# Altium PCB TPS55340_BOOST_PCB.PcbDoc
Units mm, origin at the board's own origin, x right, y up, seen from the top; angles counter-clockwise.
Board outline 46.07 x 24.71 mm, 2 copper layers (Top Layer, Bottom Layer); 14 components, 9 nets, 36 pads, 0 vias.
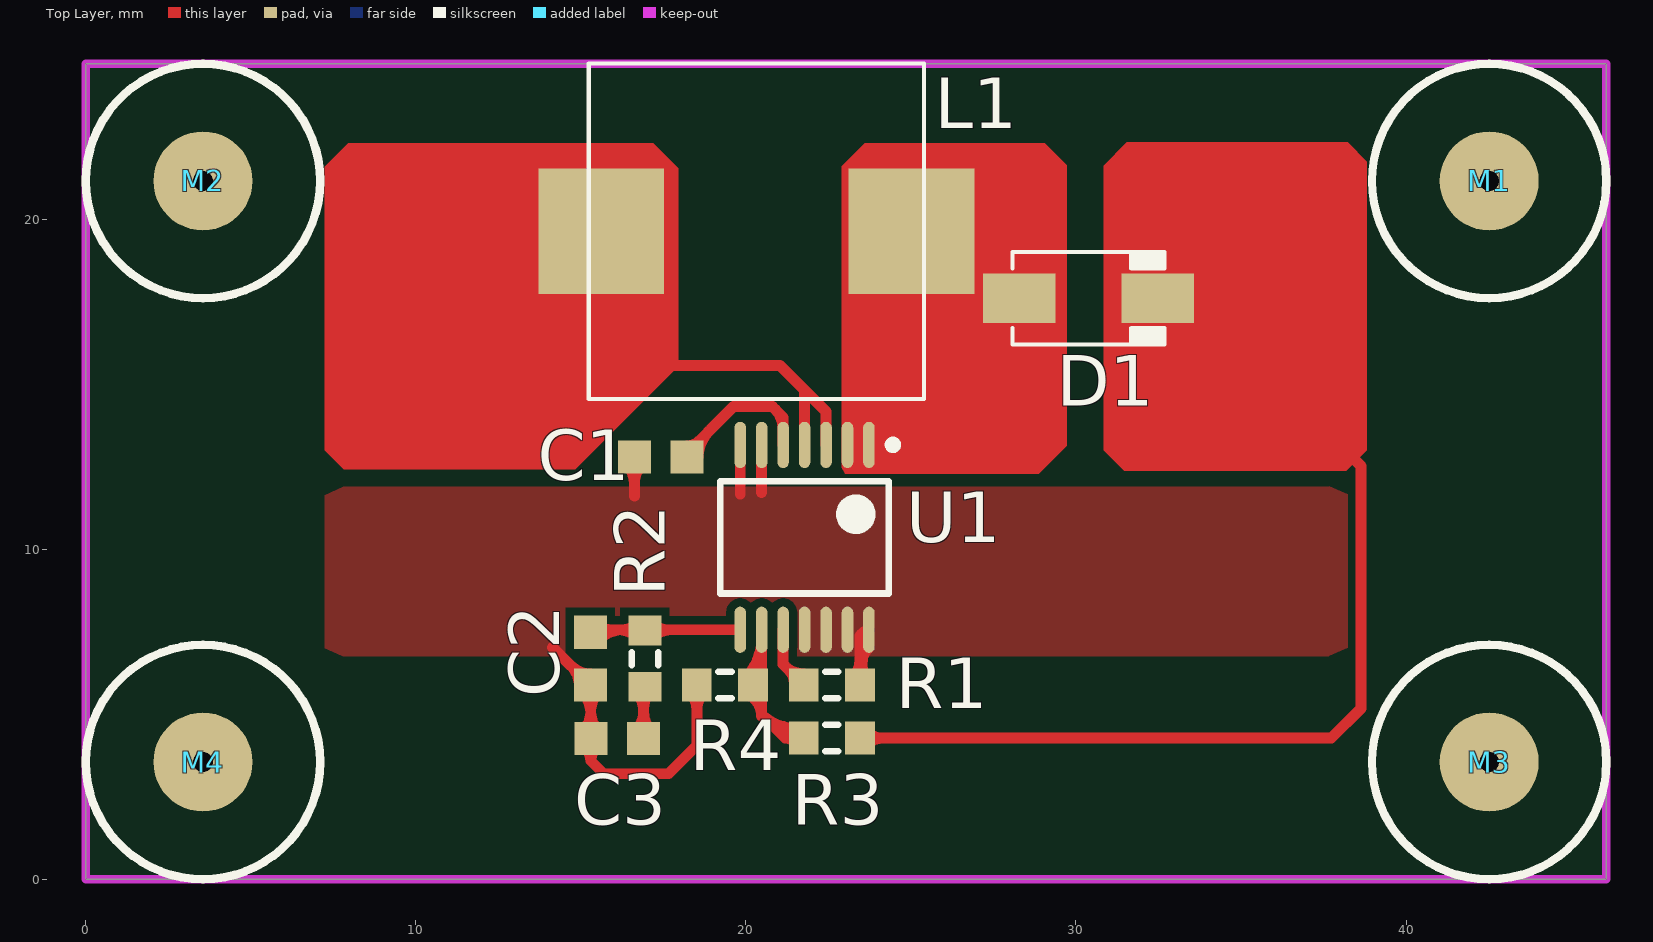
[diagram p0: Top Layer view]
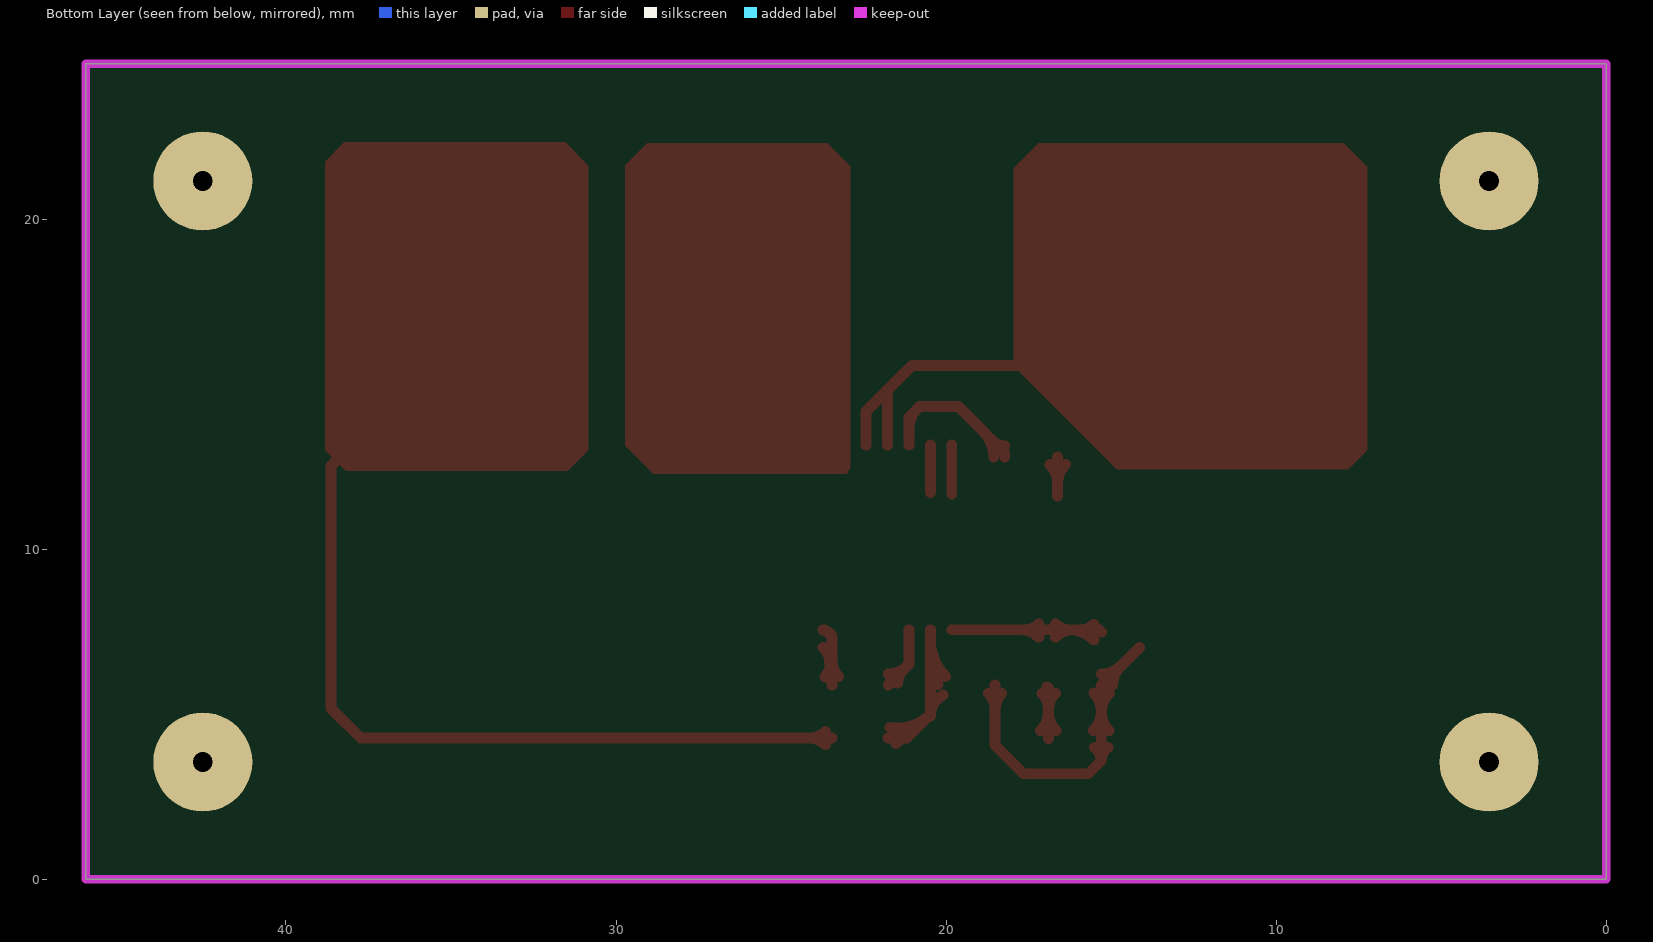
[diagram p1: Bottom Layer view, seen from below]

## Layer stack, top to bottom
Top Layer: signal copper 0.0356
Dielectric: dielectric 0.32, FR-4, Dk 4.8
Bottom Layer: signal copper 0.0356

## Board outline
0,0 0,24.714 46.07,24.714 46.07,0

## Design rules (kind name [scope] priority, off if disabled: settings)
Clearance [All] p1: gap=0.254
PolygonConnect [All] p1: connectstyle=Direct reliefconductorwidth=0.254 reliefentries=4 polygonreliefangle="90 Angle" airgapwidth=0.254
RoutingVias [All] p1: holewidth=0.711 width=1.27 viastyle="Through Hole" minholewidth=0.711 minwidth=1.27 maxholewidth=0.711 maxwidth=1.27
SolderMaskExpansion [All] p1: expansion=0.102
Width [All] p1: maxlimit=2.54 minlimit=0.254 preferedwidth=0.33
28 further rules are at their usual default settings.

## Components (designator, comment, footprint, x,y, rotation, side; value= is the part's Value field where it differs from the comment)
C1 "Cap1" CAPC1608N 17.424,12.802 r0 top
C2 "Cap1" CAPC1608N 15.291,6.688 r90 top
C3 "Cap1" CAPC1608N 16.104,4.267 r0 top
D1 "D Schottky" DO-214AC 30.378,17.602 r0 top
L1 "Inductor" 贴片680u 20.32,19.634 r0 top
M1 "M" "TAPPING HOLE" 42.52,21.158 r0 top
M2 "M" "TAPPING HOLE" 3.556,21.158 r0 top
M3 "M" "TAPPING HOLE" 42.52,3.556 r0 top
M4 "M" "TAPPING HOLE" 3.556,3.556 r0 top
R1 "Res1" RESC1608N 22.606,5.893 r180 top
R2 "Res1" RESC1608N 16.942,6.688 r90 top
R3 "Res1" RESC1608N 22.606,4.281 r0 top
R4 "Res1" RESC1608N 19.368,5.893 r0 top
U1 "TPS55340" TSSOP14_L 21.78,10.363 r270 top

## Footprints (in the part's own frame and the unit in brackets; to place one, negate y for a bottom-side part, rotate by r counter-clockwise, add the part's x,y. Pads: shape width x height; smd on the part's side, far side on the other; paste and mask are expansions set on the pad)
CAPC1608N [mm] "Chip Capacitor, Body 1.6x0.8mm, IPC Medium Density"
  rect 1x1 smd: 1(-0.8,0) 2(0.8,0)
  body extent -0.87,-0.48 0.87,0.48, height 0.85
DO-214AC [mm]
  rect 2.2x1.5 smd: 1(-2.1,0) 2(2.1,0)
  silkscreen extent -2.3,-1.4 2.3,1.4, body extent -2.6,-1.3 2.6,1.3, height 2.42
RESC1608N [mm] "Chip Resistor, Body 1.6x0.8mm, IPC Medium Density"
  rect 0.9x1 smd: 1(-0.85,0) 2(0.85,0)
  silkscreen extent -0.2,-0.4 0.2,0.4, body extent -0.85,-0.48 0.85,0.48, height 0.6
"TAPPING HOLE" [mm] "M3"
  round 3 hole 0.6: 0(0,0)
  silkscreen extent -3.55,-3.55 3.55,3.55
TSSOP14_L [mm] "TSOP, 14-Leads, Body 5x4.4mm, Pitch 0.65mm, IPC High Density"
  oval 1.4x0.35 smd: 1(-2.8,1.95) 2(-2.8,1.3) 3(-2.8,0.65) 4(-2.8,0) 5(-2.8,-0.65) 6(-2.8,-1.3) 7(-2.8,-1.95) 8(2.8,-1.95) 9(2.8,-1.3) 10(2.8,-0.65) 11(2.8,0) 12(2.8,0.65) 13(2.8,1.3) 14(2.8,1.95)
  silkscreen extent -2.92,-2.55 1.7,2.8, body extent -2.25,-2.55 2.25,2.55, height 1.1
贴片680u [mil]
  rect 150x150 smd: 1(-185,0) 2(185,0)
  silkscreen extent -200,-200 200,200

## Part data
C1 C2 C3: "Capacitor"
D1: "Schottky Diode"
R1 R2 R3 R4: "Resistor"

## Nets (pads, with @x,y where several pads share a name; then routed paths per layer and width w, separated by ;. In a path a pad name is that pad's centre, name@x,y a point inside that pad or via, vN(x,y) a via of type N, cw(c..) or ccw(c..) an arc to the next point about the centre after c; other vN are vias at no path point)
GND: C1.1 C2.1 C3.1 R1.1 R4.1 U1.6 U1.7 U1.11 U1.12 U1.13 U1.14 | length 25.5
  Top Layer w0.33: 14.148,7.031 C2.1 15.304,5.875 C3.1 15.304,3.594 ; C2.1@14.956,5.888 ccw(c14.147,5.888) 14.719,6.46 ccw(c15.291,7.031) C2.1@15.291,6.223 ; C2.1@15.054,5.651 cw(c14.451,5.048) 15.304,5.048 ; C3.1@15.067,4.504 ccw(c14.495,5.076) 15.304,5.076 ccw(c16.112,5.076) C3.1@15.54,4.504 ; C3.1@15.102,4 cw(c14.794,3.594) 15.304,3.594 ; 15.304,5.11 cw(c16.068,5.11) C2.1@15.528,5.651 ; C3.1@15.506,4 ccw(c15.813,3.594) 15.304,3.594 ; C1.1@16.388,12.565 cw(c15.816,11.993) 16.624,11.993 cw(c17.433,11.993) C1.1@16.861,12.565 ; 16.624,11.621 C1.1 ; R4.1@18.316,5.641 cw(c17.83,5.155) 18.518,5.155 cw(c19.205,5.155) R4.1@18.719,5.641 ; R4.1 18.518,4.065 17.653,3.2 15.697,3.2 15.304,3.594 ; 19.831,11.677 U1.7 ; 20.481,11.727 U1.6 ; R1.1@23.255,6.144 ccw(c22.768,6.631) 23.456,6.631 ccw(c24.144,6.631) R1.1@23.657,6.144 ; R1.1 23.456,7.378 23.495,7.417 ; R1.1@23.456,6.352 cw(c24.417,6.352) U1.14@23.738,7.031 ; 23.456,7.232 cw(c23.781,7.232) U1.14@23.732,7.553 ; 23.537,6.655 ccw(c24.072,6.512) R1.1@23.665,6.136 ; U1.14@23.561,7.483 cw(c23.731,7.314) 23.731,7.553 ccw(c23.731,7.314) U1.14@23.561,7.483
NetC1_2: C1.2 U1.5 | length 6.5
  Top Layer w0.33: C1.2 18.224,12.922 19.628,14.326 20.803,14.326 21.131,13.998 U1.5 ; C1.2@18.224,13.136 ccw(c18.224,13.654) C1.2@18.59,13.288 ; C1.2@18.559,12.802 cw(c19.659,12.802) 18.881,13.579 ; 20.895,14.233 cw(c20.35,13.688) U1.5@21.121,13.688
NetC2_2: C2.2 R2.2 U1.8 | length 8
  Top Layer w0.33: C2.2 15.366,7.563 U1.8 ; C2.2@15.528,7.251 cw(c16.281,6.497) 16.281,7.563 ; C2.2@15.528,7.725 ccw(c15.917,8.114) 15.917,7.563 ; 16.143,7.563 cw(c16.143,6.789) R2.2@16.69,7.336 ; 16.265,7.563 ccw(c16.265,8.164) R2.2@16.69,7.739 ; R2.2@17.193,7.336 cw(c17.741,6.789) 17.741,7.563 ; R2.2@17.193,7.739 ccw(c17.618,8.164) 17.618,7.563
NetC3_2: C3.2 R2.1 | length 3.9
  Top Layer w0.33: C3.2@16.667,4.504 ccw(c16.095,5.076) 16.904,5.076 ccw(c17.712,5.076) C3.2@17.14,4.504 ; R2.1@16.69,5.636 cw(c16.176,5.122) 16.904,5.122 ; C3.2 16.904,5.8 R2.1 ; 16.904,5.178 cw(c17.551,5.178) R2.1@17.093,5.636
NetD1_1: D1.1 L1.2 U1.1 U1.2
NetR1_2: R1.2 U1.10 | length 3
  Top Layer w0.33: U1.10 21.131,6.518 R1.2 ; 21.184,6.465 ccw(c21.756,7.036) R1.2@21.756,6.228 ; 21.305,6.344 cw(c20.904,5.943) R1.2@21.471,5.943
NetR3_1: R3.1 R4.2 U1.9 | length 9.8
  Top Layer w0.33: R4.2@20.016,6.144 ccw(c18.895,7.265) U1.9@20.481,7.265 ; R4.2@20.09,5.588 cw(c19.774,4.956) 20.481,4.956 ; R4.2@20.25,5.911 ccw(c19.692,6.468) 20.481,6.468 ; U1.9 20.481,4.996 ; 20.927,4.549 ccw(c21.597,5.218) R3.1@21.764,4.287 ; R3.1@21.526,4.113 ccw(c21.195,3.871) 21.195,4.281 ; R3.1@21.526,4.449 cw(c21.195,4.691) 21.195,4.281 ; R3.1@21.706,4.612 cw(c21.46,5.976) 20.481,4.996 ; R3.1 21.195,4.281 ; 20.481,4.996 21.195,4.281
VIN: L1.1 U1.3 U1.4 | length 8
  Top Layer w0.33: 17.678,15.57 21.031,15.57 21.78,14.821 ; U1.4 21.78,14.821 ; U1.3 22.431,14.171 21.78,14.821
VOUT: D1.2 R3.2 | length 24.6
  Top Layer w0.33: R3.2 37.733,4.281 38.633,5.182 38.633,12.522 38.202,12.954 ; R3.2@23.657,4.08 cw(c24.144,3.593) 24.144,4.281 cw(c24.144,4.969) R3.2@23.657,4.483
pads on no net: M1.0 M2.0 M3.0 M4.0

## Polygon pours and split planes (outlines as drawn)
GND on Top Layer "Bottom Layer-No Net" (solid, remove dead copper, pour order 2): 37.679,11.913 38.227,11.672 38.227,11.071 38.227,7.015 37.679,6.774 37.654,6.763 8.037,6.763 7.787,6.763 7.239,7.004 7.239,11.344 7.239,11.639 7.812,11.891

## Keep-outs
Keep-Out Layer:
  the board outline again, w0.254

## Other copper
Top Layer:
  region net VIN: 17.958,21.539 17.196,22.301 7.95,22.301 7.239,21.59 7.239,13.005 7.823,12.421 14.834,12.421 17.958,15.545
  region net VOUT: 30.836,21.615 31.547,22.327 38.227,22.327 38.811,21.742 38.811,13.005 38.189,12.383 31.458,12.383 30.836,13.005
  region net NetD1_1: 22.911,12.471 22.911,21.603 23.609,22.301 29.058,22.301 29.718,21.641 29.718,13.132 28.88,12.294 23.012,12.294